# Altium PCB ECU_Dummy.PcbDoc
Units mm, origin at the board's own origin, x right, y up, seen from the top; angles counter-clockwise.
Board outline 85 x 65 mm, 2 copper layers (Top Layer, Bottom Layer); 64 components, 72 nets, 212 pads, 76 vias.
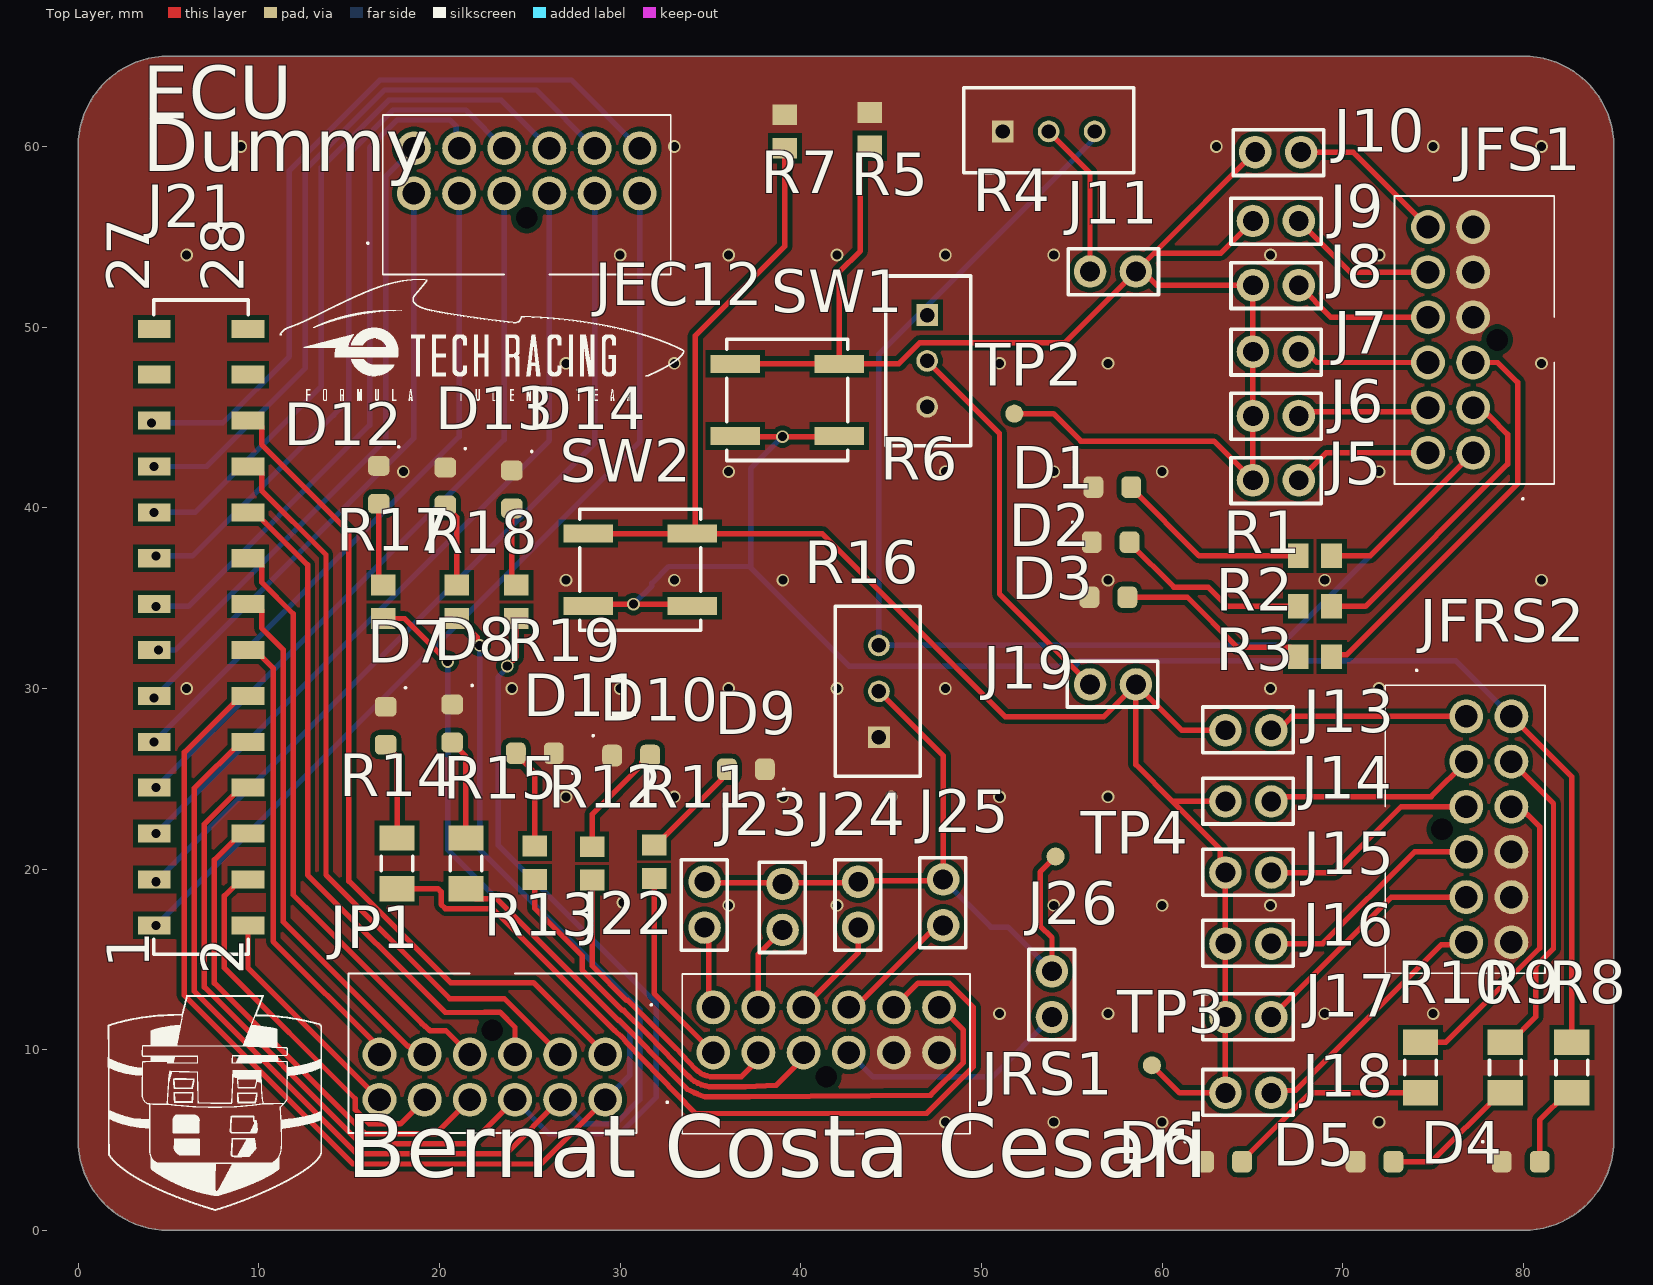
[diagram p0: Top Layer view]
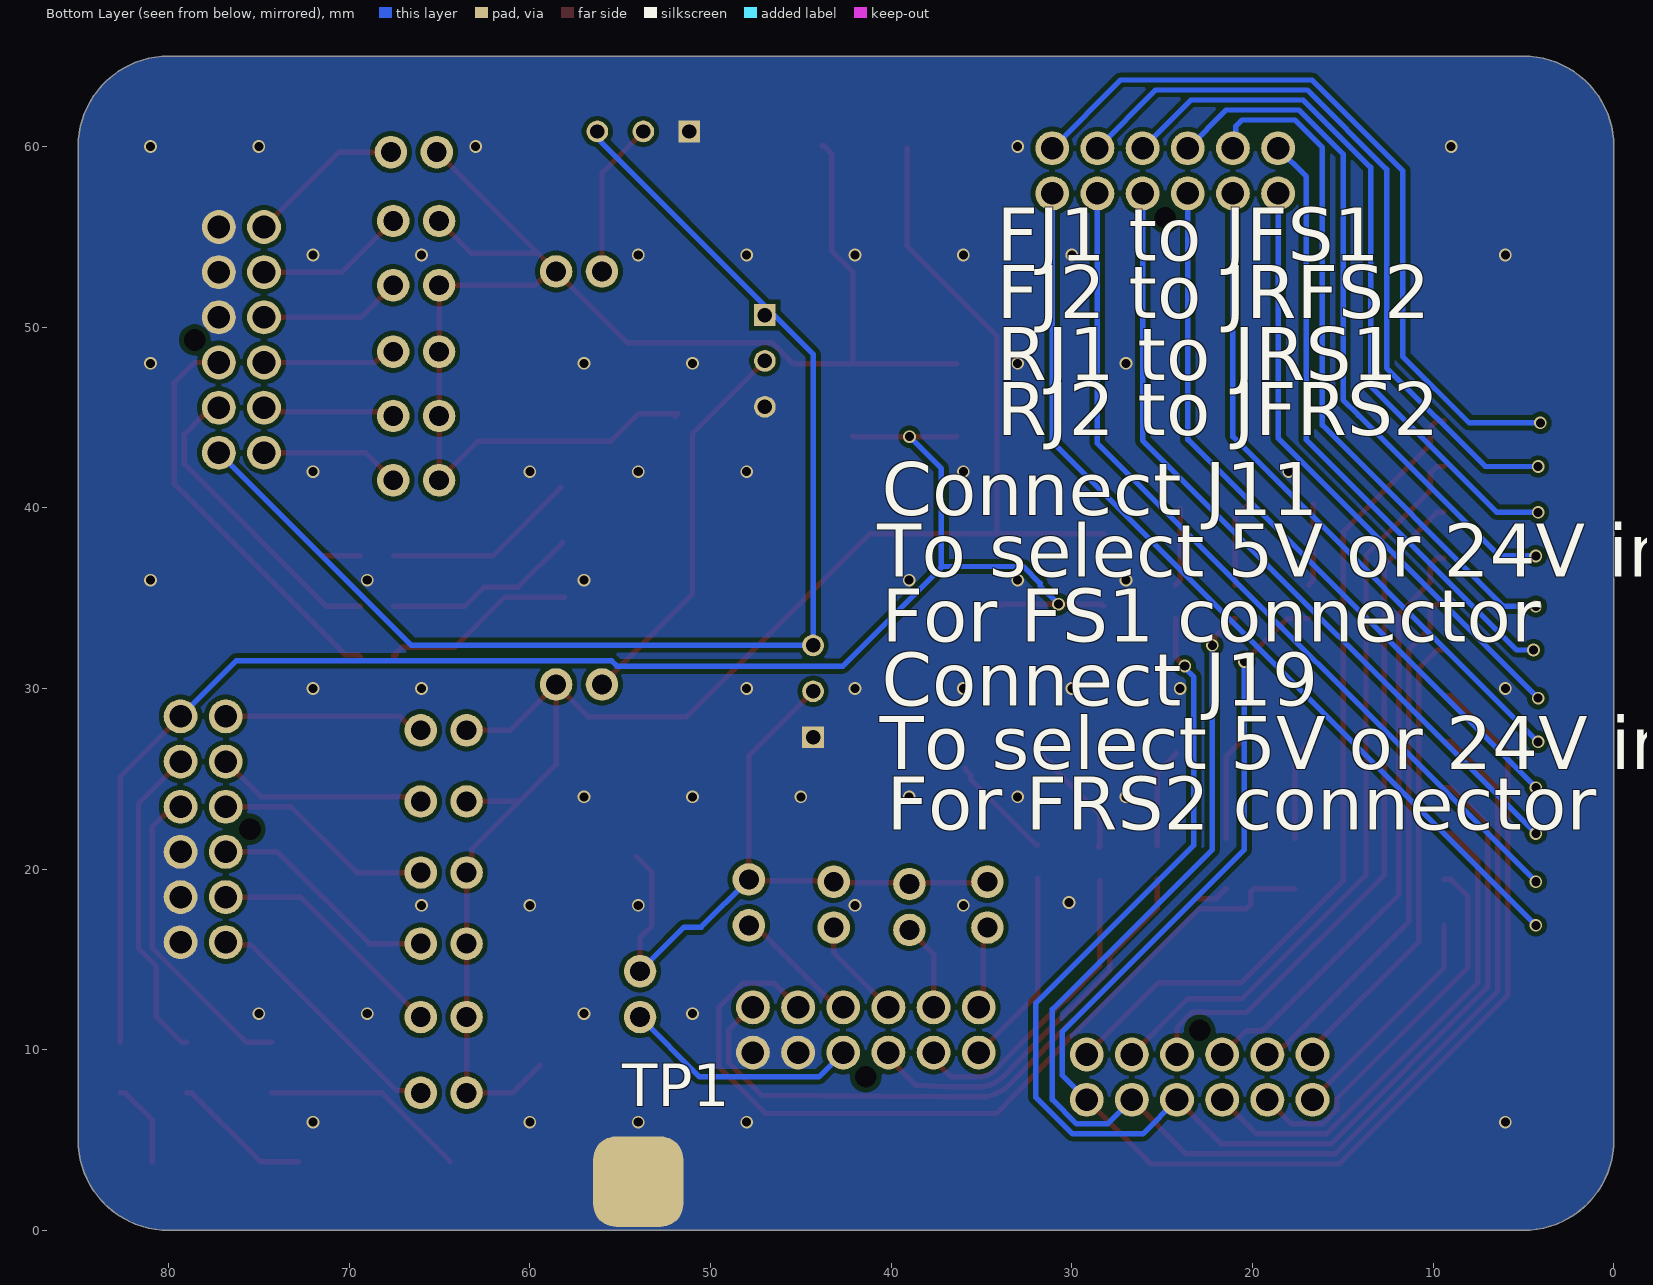
[diagram p1: Bottom Layer view, seen from below]
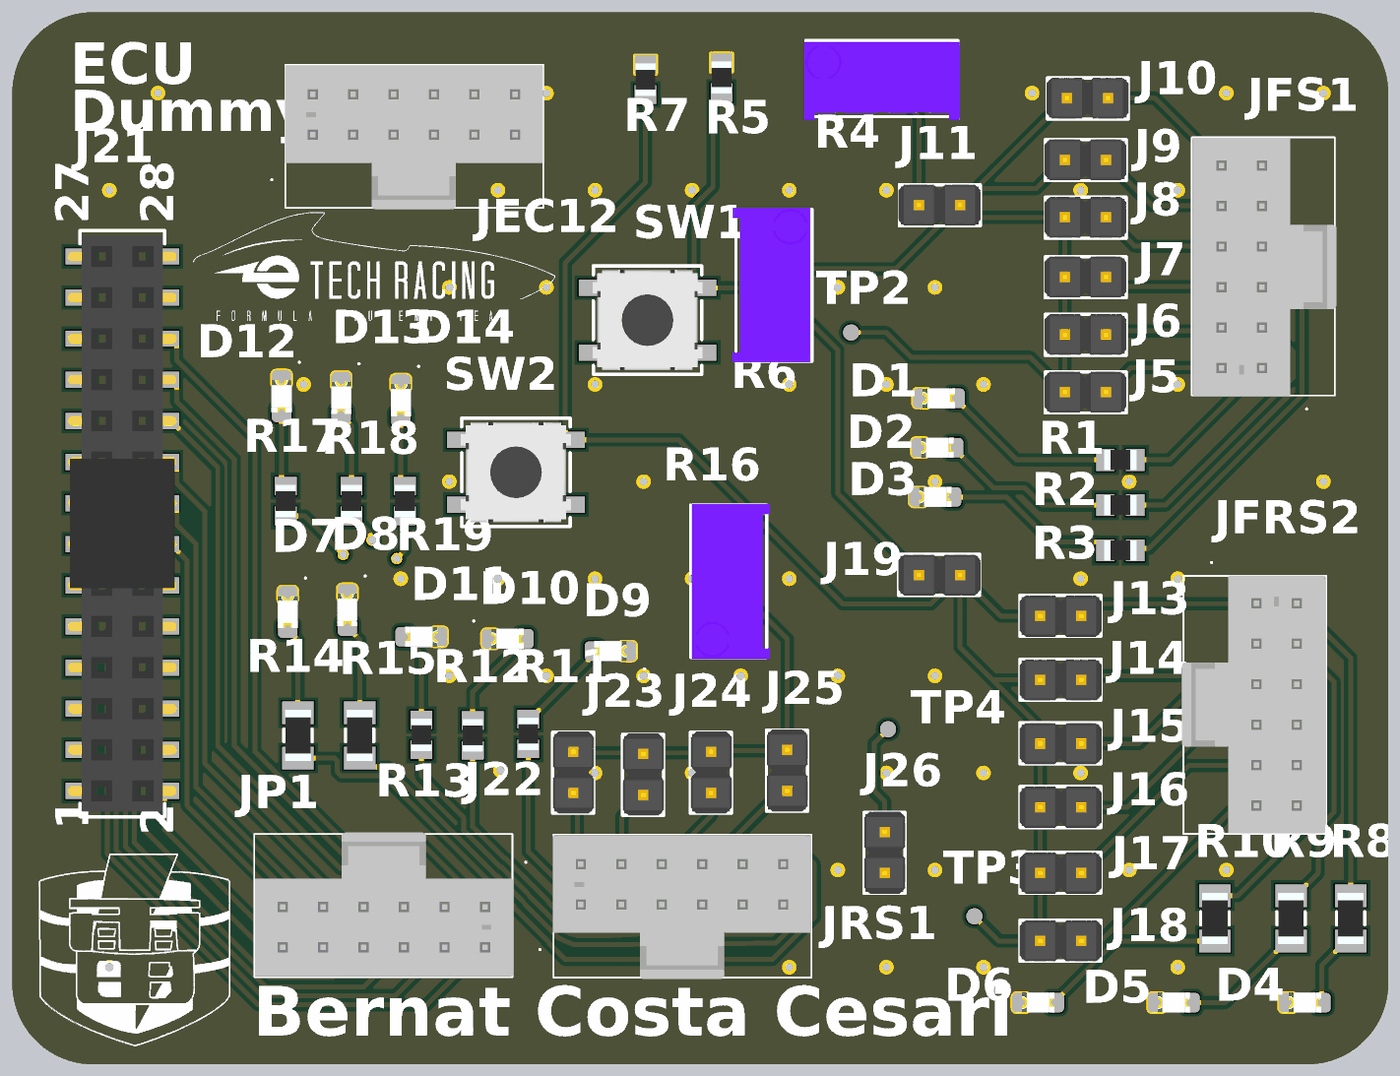
[diagram p2: 3D render of the assembled board from above, using the file's embedded part models]

## Layer stack, top to bottom
Top Solder: solder mask 0.0102, Solder Resist, Dk 3.5
Top Layer: signal copper 0.0356
Dielectric 1: dielectric 0.32, FR-4, Dk 4.8
Bottom Layer: signal copper 0.0356
Bottom Solder: solder mask 0.0102, Solder Resist, Dk 3.5

## Board outline
5,0 cw(c5,5) 0,5 0,60 cw(c5,60) 5,65 80,65 cw(c80,60) 85,60 85,5 cw(c80,5) 80,0

## Design rules (kind name [scope] priority, off if disabled: settings)
Clearance [All] p1: gap=0.254 ignorepadtopadclearanceinfootprint=FALSE
HoleSize [All] p1: absolutevalues=TRUE maxlimit=1 minlimit=0.1 maxpercent=80.000 minpercent=20.000
PlaneConnect [All] p1: planeconnectstyle=Direct reliefexpansion=0.508 reliefentries=4 reliefconductorwidth=0.254 reliefairgap=0.254
PolygonConnect [All] p1: connectstyle=Direct reliefconductorwidth=0.254 reliefentries=4 polygonreliefangle="90 Angle" airgapwidth=0.254
RoutingVias [All] p1: holewidth=0.5 width=0.7 viastyle="Through Hole" minholewidth=0.3 minwidth=0.5 maxholewidth=0.7 maxwidth=1
SolderMaskExpansion [All] p1: expansion=0.102 istentingtop=FALSE
Width [All] p1: maxlimit=1 minlimit=0.2 preferedwidth=0.3 minimp=50.000000 maximp=50.000000 favimp=50.000000
28 further rules are at their usual default settings.

## Components (designator, comment, footprint, x,y, rotation, side; value= is the part's Value field where it differs from the comment)
D1 "150080GS75000" LED_0805_WE 57.243,41.148 r0 top
D2 "150080GS75000" LED_0805_WE 57.15,38.1 r0 top
D3 "150080GS75000" LED_0805_WE 57.023,35.052 r0 top
D4 "150080RS75000" LED_0805_WE 79.849,3.81 r0 top
D5 "150080RS75000" LED_0805_WE 71.755,3.81 r0 top
D6 "150080RS75000" LED_0805_WE 63.373,3.81 r0 top
D7 "150080RS75000" LED_0805_WE 17.018,27.94 r270 top
D8 "150080RS75000" LED_0805_WE 20.701,28.067 r270 top
D9 "150080GS75000" LED_0805_WE 36.957,25.527 r180 top
D10 "150080GS75000" LED_0805_WE 30.607,26.289 r0 top
D11 "150080GS75000" LED_0805_WE 25.273,26.416 r180 top
D12 "150080BS75000" LED_0805_WE 16.637,41.275 r270 top
D13 "150080BS75000" LED_0805_WE 20.32,41.182 r270 top
D14 "150080BS75000" LED_0805_WE 24.003,41.021 r270 top
J5 "2 Pin Header" J_Pinheader_1x2 66.294,41.529 r180 top
J6 "2 Pin Header" J_Pinheader_1x2 66.294,45.085 r180 top
J7 "2 Pin Header" J_Pinheader_1x2 66.294,48.641 r180 top
J8 "2 Pin Header" J_Pinheader_1x2 66.294,52.324 r180 top
J9 "2 Pin Header" J_Pinheader_1x2 66.294,55.88 r180 top
J10 "2 Pin Header" J_Pinheader_1x2 66.421,59.69 r180 top
J11 "2 Pin Header" J_Pinheader_1x2 57.277,53.086 r180 top
J13 "2 Pin Header" J_Pinheader_1x2 64.77,27.686 r0 top
J14 "2 Pin Header" J_Pinheader_1x2 64.77,23.749 r0 top
J15 "2 Pin Header" J_Pinheader_1x2 64.77,19.812 r0 top
J16 "2 Pin Header" J_Pinheader_1x2 64.77,15.875 r0 top
J17 "2 Pin Header" J_Pinheader_1x2 64.77,11.811 r0 top
J18 "2 Pin Header" J_Pinheader_1x2 64.77,7.62 r0 top
J19 "2 Pin Header" J_Pinheader_1x2 57.277,30.226 r0 top
J21 "61002821821" 61002821821 6.798,33.401 r90 top
J22 "2 Pin Header" J_Pinheader_1x2 34.671,18.034 r90 top
J23 "2 Pin Header" J_Pinheader_1x2 38.989,17.907 r90 top
J24 "2 Pin Header" J_Pinheader_1x2 43.18,18.034 r90 top
J25 "2 Pin Header" J_Pinheader_1x2 47.879,18.161 r90 top
J26 "2 Pin Header" J_Pinheader_1x2 53.901,13.081 r90 top
JEC12 "1053101112" J_NanoFit_2x6_V 18.582,57.404 r180 top
JFRS2 "1053101112" J_NanoFit_2x6_V 76.835,28.455 r90 top
JFS1 "1053101112" J_NanoFit_2x6_V 77.216,43.046 r270 top
JP1 "1053101112" J_NanoFit_2x6_V 29.177,9.739 r0 top
JRS1 "1053101112" J_NanoFit_2x6_V 35.152,9.849 r180 top
R1 "CR0805-FX-4700GLF" R0805FTK 68.453,37.338 r0 top
R2 "CR0805-FX-4700GLF" R0805FTK 68.453,34.544 r0 top
R3 "CR0805-FX-4700GLF" R0805FTK 68.453,31.75 r0 top
R4 "3296W-1-103LF" R10k-VTR 53.721,60.833 r90 top
R5 "CR0805-JW-103ELF" R0805FTK 43.815,60.96 r90 top
R6 "3296W-1-103LF" R10k-VTR 46.99,48.133 r0 top
R7 "CR0805-JW-103ELF" R0805FTK 39.116,60.833 r270 top
R8 "CR1206-FX-2201ELF" R1206FTK-W 82.677,9.017 r270 top
R9 "CR1206-FX-2201ELF" R1206FTK-W 78.994,9.017 r270 top
R10 "CR1206-FX-2201ELF" R1206FTK-W 74.295,9.017 r270 top
R11 "CR0805-FX-4700GLF" R0805FTK 31.877,20.411 r270 top
R12 "CR0805-FX-4700GLF" R0805FTK 28.448,20.32 r270 top
R13 "CR0805-FX-4700GLF" R0805FTK 25.273,20.356 r270 top
R14 "CR1206-FX-2201ELF" R1206FTK-W 17.653,20.32 r90 top
R15 "CR1206-FX-2201ELF" R1206FTK-W 21.463,20.32 r90 top
R16 "3296W-1-103LF" R10k-VTR 44.323,29.845 r180 top
R17 "CR0805-FX-4700GLF" R0805FTK 16.891,34.798 r90 top
R18 "CR0805-FX-4700GLF" R0805FTK 20.955,34.798 r90 top
R19 "CR0805-FX-4700GLF" R0805FTK 24.257,34.798 r90 top
SW1 "430773034825" WS-TASV_L6W6H3.4_4307x30348xx 39.243,45.974 r0 top
SW2 "430773034825" WS-TASV_L6W6H3.4_4307x30348xx 31.115,36.576 r0 top
TP1 "Test Point" TESTPOINT_WIDE 56.388,2.602 r0 top
TP2 "TestPoint" TestPoint 51.816,45.212 r90 top
TP3 "TestPoint" TestPoint 59.436,9.144 r90 top
TP4 "TestPoint" TestPoint 54.102,20.701 r90 top

## Footprints (in the part's own frame and the unit in brackets; to place one, negate y for a bottom-side part, rotate by r counter-clockwise, add the part's x,y. Pads: shape width x height; smd on the part's side, far side on the other; paste and mask are expansions set on the pad)
61002821821 [mm] "Socket Header, Pitch 2.54 mm, SMT, Vertical, dual row, 28p"
  rect 1x1.8 smd: 1(-16.51,2.6) 2(-16.51,-2.6) 3(-13.97,2.6) 4(-13.97,-2.6) 5(-11.43,2.6) 6(-11.43,-2.6) 7(-8.89,2.6) 8(-8.89,-2.6) 9(-6.35,2.6) 10(-6.35,-2.6) 11(-3.81,2.6) 12(-3.81,-2.6) 13(-1.27,2.6) 14(-1.27,-2.6) 15(1.27,2.6) 16(1.27,-2.6) 17(3.81,2.6) 18(3.81,-2.6) 19(6.35,2.6) 20(6.35,-2.6) 21(8.89,2.6) 22(8.89,-2.6) 23(11.43,2.6) 24(11.43,-2.6) 25(13.97,2.6) 26(13.97,-2.6) 27(16.51,2.6) 28(16.51,-2.6)
  silkscreen extent -18.11,-2.62 18.11,2.62, body extent -17.78,-3.35 17.78,3.35, height 8.5
J_NanoFit_2x6_V [mm]
  round 1.875 hole 1.25: 1(0,0) 2(-2.5,0) 3(-5,0) 4(-7.5,0) 5(-10,0) 6(-12.5,0) 7(0,-2.5) 8(-2.5,-2.5) 9(-5,-2.5) 10(-7.5,-2.5) 11(-10,-2.5) 12(-12.5,-2.5)
  round 0.675 hole 1.2 unplated: MH1(-6.25,1.34)
  silkscreen extent -14.22,-4.35 2.6,4.49, body extent -14.19,-4.26 1.75,4.58, height 10.68
J_Pinheader_1x2 [mm]
  round 1.8 hole 1.1: 1(-1.27,0) 2(1.27,0)
  silkscreen extent -2.52,-1.25 2.48,1.29, body extent -2.54,-1.27 2.54,1.27, height 9.5
LED_0805_WE [mm] "SODFL, 2-Leads, Body 1,60x3,20mm, IPC Medium Density"
  rrect50% 1.1x1.2 smd: A(1.05,0) K(-1.05,0)
  silkscreen extent -2.15,1.05 -2.05,1.15, body extent -1,-0.62 1,0.63, height 0.7
R10k-VTR [mm]
  rect 1.2x1.2 hole 0.8: 1(0,2.54)
  round 1.2 hole 0.8: 2(0,-2.54) 3(0,0)
  silkscreen extent -2.29,-4.7 2.41,4.7, body extent -2.49,-4.78 2.34,4.78, height 11.09
R0805FTK [mm] "Chip Resistor, 2-Leads, Body 2,00x1,25mm, IPC Medium Density"
  rect 1.15x1.35 smd: 1(-0.925,0) 2(0.925,0)
  body extent -1,-0.63 1,0.63, height 0.65
R1206FTK-W [mm] "Chip Resistor, 2-Leads, Body 3,15x1,60mm, IPC Medium Density"
  rect 1.4x1.95 smd: 1(-1.4,0) 2(1.4,0)
  silkscreen extent -0.4,-0.87 0.4,0.87, body extent -1.58,-0.8 1.58,0.8, height 0.61
TestPoint [mm]
  round 1 smd: 1(0,0)
TESTPOINT_WIDE [mm]
  rrect50% 5x5 smd far side: 1(-2.388,0.098)
WS-TASV_L6W6H3.4_4307x30348xx [mm] "SMD Tact Switch, body 6x6mm"
  rect 2.75x1 smd: A1(-2.875,2) A2(2.875,2) B1(-2.875,-2) B2(2.875,-2)
  silkscreen extent -3.35,-3.35 3.35,3.35, body extent -3.4,-3.1 3.4,3.1, height 3.4

## Part data
D1 D2 D3 D9 D10 D11: library part LEDGS-0805-450, "Led, Green, 520 Nm, 3.2 V, 30 Ma, 450 Mcd Rohs Compliant: Yes", Case Code (Imperial)=0805, Case Code (Metric)=2012, Color=Green, Forward Current=30mA, Forward Voltage=3.2V, Manufacturer 1="Wurth Electronics", Max Operating Temperature=85°C, Min Operating Temperature=-40°C, Package Quantity=4000, Supplier Part Number 1=8154221, Test Current=20mA, .Creator=GP, Case/Package=0805, Category=LEDs, ComponentLink1Description=Datasheet, ComponentLink1URL=https://www.we-online.com/catalog/datasheet/150080GS75000.pdf, ComponentLink2Description="Where buy it", ComponentLink2URL=https://katalog.we-online.de/en/led/WL-SMCW/150080GS75000, ComponentLink3Description=https://datasheet.ciiva.com/29563/150080gs75000-29563008.pdf?src-supplier=Digi-Key, ComponentLink3URL=https://datasheet.ciiva.com/29563/150080gs75000-29563008.pdf?src-supplier=Digi-Key, ComponentLink4Description=https://datasheet.ciiva.com/29279/759434-da-01-en-chipled-0805-w-kl-gruen-150080gs75000-29279039.pdf?src-supplier=Conrad, ComponentLink4URL=https://datasheet.ciiva.com/29279/759434-da-01-en-chipled-0805-w-kl-gruen-150080gs75000-29279039.pdf?src-supplier=Conrad, Dominant Wavelength=520nm, Height=0.7mm, Length=2mm, Lens Style=Clear,Rectangular, Luminous Intensity=450mcd, Manufacturer Part Number 1=150080GS75000, Mount="Surface Mount", Packaging="Cut Tape", Pricing 1="50=0,19300, 500=0,12900, 1000=0,12300, 2000=0,11700, 4000=0,11100 (USD)", REACH SVHC=Unknown, RoHS=Yes, RoHS Compliant=Yes, Stock 1=4350, Supplier 1=RSComponents, Viewing Angle=140°, Wavelength=520nm, Width=1.25mm
D4 D5 D6 D7 D8: library part LEDRS-0805-150, "0805(H=0.8mm) 红色 高亮 λD=625nm VF=2V IF=30mA PD=72mW", Case Code (Imperial)=0805, Case Code (Metric)=2012, Color=Red, Forward Current=30mA, Forward Voltage=2V, Manufacturer 1="Wurth Electronics", Max Operating Temperature=85°C, Min Operating Temperature=-40°C, Package Quantity=4000, Supplier Part Number 1=8154225P, Test Current=20mA, .Creator=DR, Case/Package=0805, Category=LEDs, ComponentLink1Description=Datasheet, ComponentLink1URL=https://www.we-online.com/catalog/datasheet/150080RS75000.pdf, ComponentLink2Description="Where buy it", ComponentLink2URL=https://katalog.we-online.de/en/led/WL-SMCW/150080RS75000, ComponentLink3Description=https://datasheet.ciiva.com/22656/150080rs75000-22656961.pdf?src-supplier=Element14, ComponentLink3URL=https://datasheet.ciiva.com/22656/150080rs75000-22656961.pdf?src-supplier=Element14, ComponentLink4Description=https://datasheet.ciiva.com/29279/759435-da-01-en-chipled-0805-w-kl-rot-150080rs75000-29279032.pdf?src-supplier=Conrad, ComponentLink4URL=https://datasheet.ciiva.com/29279/759435-da-01-en-chipled-0805-w-kl-rot-150080rs75000-29279032.pdf?src-supplier=Conrad, Dominant Wavelength=625nm, Height=0.7mm, Length=2mm, Lens Style=Clear,Rectangular, Luminous Intensity=150mcd, Manufacturer Part Number 1=150080RS75000, Mount="Surface Mount", Packaging="Tape and Reel", Pricing 1="50=0,19300, 500=0,12900, 1000=0,12300, 2000=0,11700, 4000=0,11100 (USD)", REACH SVHC=Unknown, RoHS=Yes, RoHS Compliant=Yes, Stock 1=1, Supplier 1=RSComponents, Viewing Angle=140°, Wavelength=625nm, Width=1.25mm
D12 D13 D14: library part LEDBS-0805-145, "LED BLUE CLEAR 0805 SMD", Case Code (Imperial)=0805, Case Code (Metric)=2012, Color=Blue, Forward Current=30mA, Forward Voltage=3.2V, Manufacturer 1="Wurth Electronics", Max Operating Temperature=85°C, Min Operating Temperature=-40°C, Package Quantity=4000, Supplier Part Number 1=8154228, Test Current=20mA, .Creator=GP, Case/Package=0805, Category=LEDs, ComponentLink1Description=Datasheet, ComponentLink1URL=https://www.we-online.com/catalog/datasheet/150080BS75000.pdf, ComponentLink2Description="Where buy it", ComponentLink2URL=https://katalog.we-online.de/en/led/WL-SMCW/150080BS75000, ComponentLink3Description=https://datasheet.ciiva.com/23843/150080bs75000-23843251.pdf?src-supplier=Newark, ComponentLink3URL=https://datasheet.ciiva.com/23843/150080bs75000-23843251.pdf?src-supplier=Newark, ComponentLink4Description=https://datasheet.ciiva.com/22656/1740214-22656954.pdf?src-supplier=Element14, ComponentLink4URL=https://datasheet.ciiva.com/22656/1740214-22656954.pdf?src-supplier=Element14, ComponentLink5Description=https://datasheet.ciiva.com/29279/759433-da-01-en-chipled-0805-w-kl-blau-150080bs75000-29279203.pdf?src-supplier=Conrad, ComponentLink5URL=https://datasheet.ciiva.com/29279/759433-da-01-en-chipled-0805-w-kl-blau-150080bs75000-29279203.pdf?src-supplier=Conrad, ComponentLink6Description=https://datasheet.ciiva.com/29562/150080bs75000-29562922.pdf?src-supplier=Digi-Key, ComponentLink6URL=https://datasheet.ciiva.com/29562/150080bs75000-29562922.pdf?src-supplier=Digi-Key, ComponentLink7Description=https://datasheet.ciiva.com/29562/150080bs75000-29562923.pdf?src-supplier=Digi-Key, ComponentLink7URL=https://datasheet.ciiva.com/29562/150080bs75000-29562923.pdf?src-supplier=Digi-Key, Dominant Wavelength=470nm, Height=0.7mm, Lead Free="Lead Free", Length=2mm, Lens Style=Clear,Rectangular, Luminous Intensity=145mcd, Manufacturer Part Number 1=150080BS75000, Mount="Surface Mount", Packaging="Tape and Reel", Pricing 1="50=0,19300, 500=0,12900, 1000=0,12200, 2000=0,11700, 4000=0,11100 (USD)", REACH SVHC=Unknown, RoHS=Yes, RoHS Compliant=Yes, Stock 1=7400, Supplier 1=RSComponents, Viewing Angle=140°, Wavelength=470nm, Width=1.25mm
J5 J6 J7 J8 J9 J10 J11 J13 J14 J15 J16 J17 J18 J19 J22 J23 J24 J25 J26: library part J_Jumper_H
J21: "WR-PHD Socket Header, SMT, Vertical, pitch 2.54mm, 2 Row, 28P", Contact Resistance=20mΩ, Manufacturer="Wurth Elektronik", Operating Temperature Max=105°C, Operating Temperature Min=-40°C, Rated Current=3A, Withstanding Voltage=600V, Working Voltage=250V, Category="Board-to-Board Connectors", ComponentLink1Description="Website Link", ComponentLink1URL=https://www.we-online.com/redexpert/article/61002821821?ad, ComponentLink2Description="Datasheet Link", ComponentLink2URL=https://www.we-online.com/redexpert/spec/61002821821?ad, Gender="Socket Header", Manufacturer part number=61002821821, Match Code=WR-PHD, Mount="Surface Mount", Number of Pins=28, Number of Rows=2, Orientation=Vertical, Packaging=Tube, Pitch=2.54mm
JEC12 JFRS2 JFS1 JP1 JRS1: library part J_NanoFit_2x6_V, "Nano-Fit Vertical Header, Through Hole, 2.50mm Pitch, Dual Row, 12 Circuits, with Kinked Pins, Tin (Sn) Plating, Black, Glow-Wire Capable, Tray"
R1 R2 R3 R11 R12 R13 R17 R18 R19: library part R470-0805FTK, "Res Thick Film 0805 470 Ohm 1% 1/8W ±100ppm/°C Molded SMD SMD Paper Tape on Plastic Reel", Case Code (Imperial)=0805, Case Code (Metric)=2012, Manufacturer 1=Bourns, Max Operating Temperature=155°C, Max power dissipation=125mW, Min Operating Temperature=-55°C, Resistance=470R, Resistance Tolerance=1%, Resistor Type="Thick Film", Temperature Coefficient=100ppm/°C, Voltage Rating=150V, .Creator=DR, Case/Package=0805, Category="Chip SMD Resistors", ComponentLink1Description=https://datasheet.ciiva.com/11808/0900766b80fcdb72-11808686.pdf?src-supplier=RSComponents, ComponentLink1URL=https://datasheet.ciiva.com/11808/0900766b80fcdb72-11808686.pdf?src-supplier=RSComponents, ComponentLink2Description=https://datasheet.ciiva.com/7985/1856384-7985880.pdf?src-supplier=Element14, ComponentLink2URL=https://datasheet.ciiva.com/7985/1856384-7985880.pdf?src-supplier=Element14, ComponentLink3Description=https://datasheet.ciiva.com/22693/1902866-22693247.pdf?src-supplier=Element14, ComponentLink3URL=https://datasheet.ciiva.com/22693/1902866-22693247.pdf?src-supplier=Element14, ComponentLink4Description=https://datasheet.ciiva.com/5541/chpreztr-5541930.pdf?src-supplier=Mouser, ComponentLink4URL=https://datasheet.ciiva.com/5541/chpreztr-5541930.pdf?src-supplier=Mouser, Construction=Rectangular, Contact Plating=Tin, Depth=1.25mm, Features="Moisture Resistant", Height=0.5mm, Length=2mm, Manufacturer Part Number 1=CR0805-FX-4700GLF, Military Standard=Not, Mount="Surface Mount", Number of Pins=2, Number of Terminations=2, Packaging="Tape and Reel", Power rating=125mW, Pricing 1="1=0,00990, 10=0,00980, 25=0,00950, 50=0,00940, 100=0,00930, 250=0,00920, 500=0,00910, 1000=0,00890, 3000=0,00870, 6000=0,00860 (USD)", Radiation Hardening=No, REACH SVHC="No SVHC", RoHS=Yes, Series=CR0805, Stock 1=12623, Supplier 1="Arrow Electronics", Supplier Part Number 1=CR0805-FX-4700GLF, Technology="THICK FILM", Termination=SMD/SMT, Thickness=508um, Tolerance=1%, Voltage Rating (DC)=150V
R4 R6 R16: library part R10k-VTR, "Trimmer, Cermet, Rest 10 Kilohms, PCB, 25 Turns, Pwr-Rtg 0.5W, 3296 Series", Color=Blue, Insulation Resistance=1GR, Manufacturer=Bourns, Max Operating Temperature=125°C, Max power dissipation=500mW, Min Operating Temperature=-55°C, Package Quantity=50, Resistance=10kR, Resistance Tolerance=10%, Resistor Type=Cermet, Supplier Part Number 1=1673377, Temperature Coefficient=100ppm/°C, .Creator=DO, Category="Variable Resistors and Potentiometers", ComponentLink1Description=https://datasheet.ciiva.com/19454/853572-19454866.pdf?src-supplier=Jameco, ComponentLink1URL=https://datasheet.ciiva.com/19454/853572-19454866.pdf?src-supplier=Jameco, ComponentLink2Description=https://datasheet.ciiva.com/11830/0900766b8069ccf4-11830871.pdf?src-supplier=RSComponents, ComponentLink2URL=https://datasheet.ciiva.com/11830/0900766b8069ccf4-11830871.pdf?src-supplier=RSComponents, ComponentLink3Description=https://datasheet.ciiva.com/29122/447277-da-01-en-trimmer-tht3296w-1-103lf-10k-0-5w-29122362.pdf?src-supplier=Conrad, ComponentLink3URL=https://datasheet.ciiva.com/29122/447277-da-01-en-trimmer-tht3296w-1-103lf-10k-0-5w-29122362.pdf?src-supplier=Conrad, ComponentLink4Description=https://datasheet.ciiva.com/26913/3296w-1-103lf-26913885.pdf?src-supplier=IIIC, ComponentLink4URL=https://datasheet.ciiva.com/26913/3296w-1-103lf-26913885.pdf?src-supplier=IIIC, ComponentLink5Description=https://datasheet.ciiva.com/1131/1815117-1131273.pdf?src-supplier=Element14, ComponentLink5URL=https://datasheet.ciiva.com/1131/1815117-1131273.pdf?src-supplier=Element14, ComponentLink6Description=https://datasheet.ciiva.com/18411/70153578-18411561.pdf?src-supplier=Allied+Electronics, ComponentLink6URL=https://datasheet.ciiva.com/18411/70153578-18411561.pdf?src-supplier=Allied+Electronics, ComponentLink7Description=https://datasheet.ciiva.com/3266/3296-3266187.pdf?src-supplier=Avnet, ComponentLink7URL=https://datasheet.ciiva.com/3266/3296-3266187.pdf?src-supplier=Avnet, ComponentLink8Description=https://datasheet.ciiva.com/30093/3296-30093899.pdf?src-supplier=Onlinecomponents.com, ComponentLink8URL=https://datasheet.ciiva.com/30093/3296-30093899.pdf?src-supplier=Onlinecomponents.com, ComponentLink9Description=https://datasheet.ciiva.com/2156/3296-2156893.pdf?src-supplier=Digi-Key, ComponentLink9URL=https://datasheet.ciiva.com/2156/3296-2156893.pdf?src-supplier=Digi-Key, ComponentLink10Description=https://datasheet.ciiva.com/14173/ew3296-dat-e-14173022.pdf?src-supplier=Distrelec, ComponentLink10URL=https://datasheet.ciiva.com/14173/ew3296-dat-e-14173022.pdf?src-supplier=Distrelec, ComponentLink11Description="Where buy it", ComponentLink11URL=https://es.rs-online.com/web/p/potenciometros-de-ajuste/5219647, Contact Plating=Tin,Matte, Depth=4.83mm, Height=0.395inch, Lead Free="Lead Free", Length=9.53mm, Manufacturer part number=3296W-1-103LF, Military Standard=Not, Mount="PCB,Through Hole", Number of Turns=25, Packaging=Rail/Tube, Power rating=500mW, Pricing 1="50=2,54800, 100=2,31900, 200=2,14000, 300=1,88400, 500=1,55300 (USD)", Radiation Hardening=No, REACH SVHC="No SVHC", RoHS=Yes, RoHS Compliant=Yes, Series=3296, Stock 1=3300, Supplier 1=RSComponents, Taper=Linear, Technology=CERMET, Termination=Pin, Tolerance=10%, Weight=0.03oz, Width=9.53mm
R5 R7: library part R10k-0805FTK, "BOURNS         CR0805-JW-103ELF            Surface Mount Chip Resistor, Thick Film, CR Series, 10 kohm, 125 mW,  5%, 150 V", Case Code (Imperial)=0805, Case Code (Metric)=2012, Manufacturer 1=Bourns, Max Operating Temperature=155°C, Max power dissipation=125mW, Min Operating Temperature=-55°C, Package Quantity=1, Resistance=10kR, Resistance Tolerance=5%, Resistor Type="Thick Film", Temperature Coefficient=200ppm/°C, Voltage Rating=150V, Voltage Rating (DC)=100V, .Creator=DR, Case/Package=0805, Category="Chip SMD Resistors", ComponentLink1Description=https://datasheet.ciiva.com/11821/0900766b80fcdb72-11821135.pdf?src-supplier=RSComponents, ComponentLink1URL=https://datasheet.ciiva.com/11821/0900766b80fcdb72-11821135.pdf?src-supplier=RSComponents, ComponentLink2Description=https://datasheet.ciiva.com/9122/chpreztr-9122374.pdf?src-supplier=Avnet, ComponentLink2URL=https://datasheet.ciiva.com/9122/chpreztr-9122374.pdf?src-supplier=Avnet, ComponentLink3Description=https://datasheet.ciiva.com/22693/1902866-22693254.pdf?src-supplier=Element14, ComponentLink3URL=https://datasheet.ciiva.com/22693/1902866-22693254.pdf?src-supplier=Element14, ComponentLink4Description=https://datasheet.ciiva.com/7986/691949-7986187.pdf?src-supplier=Element14, ComponentLink4URL=https://datasheet.ciiva.com/7986/691949-7986187.pdf?src-supplier=Element14, ComponentLink5Description=https://datasheet.ciiva.com/30065/159chpreztr-30065976.pdf?src-supplier=Onlinecomponents.com, ComponentLink5URL=https://datasheet.ciiva.com/30065/159chpreztr-30065976.pdf?src-supplier=Onlinecomponents.com, ComponentLink6Description=https://datasheet.ciiva.com/16783/70154685-16783482.pdf?src-supplier=Allied+Electronics, ComponentLink6URL=https://datasheet.ciiva.com/16783/70154685-16783482.pdf?src-supplier=Allied+Electronics, ComponentLink7Description=https://datasheet.ciiva.com/5548/chpreztr-5548491.pdf?src-supplier=Mouser, ComponentLink7URL=https://datasheet.ciiva.com/5548/chpreztr-5548491.pdf?src-supplier=Mouser, ComponentLink8Description=https://datasheet.ciiva.com/6559/chpreztr-6559900.pdf?src-supplier=Digi-Key, ComponentLink8URL=https://datasheet.ciiva.com/6559/chpreztr-6559900.pdf?src-supplier=Digi-Key, ComponentLink9Description=https://datasheet.ciiva.com/6559/chpreztr-6559901.pdf?src-supplier=Digi-Key, ComponentLink9URL=https://datasheet.ciiva.com/6559/chpreztr-6559901.pdf?src-supplier=Digi-Key, ComponentLink10Description=https://datasheet.ciiva.com/7985/1856384-7985869.pdf?src-supplier=Element14, ComponentLink10URL=https://datasheet.ciiva.com/7985/1856384-7985869.pdf?src-supplier=Element14, ComponentLink11Description=https://datasheet.ciiva.com/48692/001055517-da-01-en-smd-wid-cr0805-jw-103elf-10k-ohm-1-8w-48692118.pdf?src-supplier=Conrad, ComponentLink11URL=https://datasheet.ciiva.com/48692/001055517-da-01-en-smd-wid-cr0805-jw-103elf-10k-ohm-1-8w-48692118.pdf?src-supplier=Conrad, Construction=Rectangular, Contact Plating=Tin, Depth=1.25mm, Features="Moisture Resistant", Height=0.5mm, Length=2mm, Manufacturer Part Number 1=CR0805-JW-103ELF, Military Standard=Not, Mount="Surface Mount", Number of Pins=2, Number of Terminations=2, Packaging="Tape and Reel", Power rating=125mW, Pricing 1="1=0,05790, 10=0,01540, 25=0,01340, 100=0,00340 (USD)", Radiation Hardening=No, REACH SVHC="No SVHC", RoHS=Yes, RoHS Compliant=Yes, Series=CR0805, Stock 1=57566, Supplier 1="Arrow Electronics", Supplier Part Number 1=CR0805-JW-103ELF, Technology="THICK FILM", Termination=SMD/SMT, Thickness=508um, Tolerance=5%, Width=1.25mm
R8 R9 R10 R14 R15: library part R2.2K-1206FTK, "Res Thick Film 1206 2.2K Ohm 1% 1/4W ±100ppm/°C Molded SMD SMD Paper Tape on Plastic Reel", Case Code (Imperial)=1206, Case Code (Metric)=3216, Manufacturer 1=Bourns, Max Operating Temperature=155°C, Max power dissipation=250mW, Min Operating Temperature=-55°C, Package Quantity=5000, Resistance=2.2kR, Resistance Tolerance=1%, Resistor Type="Thick Film", Supplier Part Number 1=CR1206-FX-2201ELFCT-ND, Temperature Coefficient=100ppm/°C, Voltage Rating=200V, .Creator=AC, Case/Package=1206, Category="Chip SMD Resistors", ComponentLink1Description=https://datasheet.ciiva.com/11809/0900766b80fcdb72-11809898.pdf?src-supplier=RSComponents, ComponentLink1URL=https://datasheet.ciiva.com/11809/0900766b80fcdb72-11809898.pdf?src-supplier=RSComponents, ComponentLink2Description=https://datasheet.ciiva.com/9123/chpreztr-9123227.pdf?src-supplier=Avnet, ComponentLink2URL=https://datasheet.ciiva.com/9123/chpreztr-9123227.pdf?src-supplier=Avnet, ComponentLink3Description=https://datasheet.ciiva.com/16770/70154685-16770447.pdf?src-supplier=Allied+Electronics, ComponentLink3URL=https://datasheet.ciiva.com/16770/70154685-16770447.pdf?src-supplier=Allied+Electronics, ComponentLink4Description=https://datasheet.ciiva.com/7985/1856384-7985879.pdf?src-supplier=Element14, ComponentLink4URL=https://datasheet.ciiva.com/7985/1856384-7985879.pdf?src-supplier=Element14, ComponentLink5Description=https://datasheet.ciiva.com/22693/1902866-22693258.pdf?src-supplier=Element14, ComponentLink5URL=https://datasheet.ciiva.com/22693/1902866-22693258.pdf?src-supplier=Element14, ComponentLink6Description=RS, ComponentLink6URL=https://es.rs-online.com/web/p/resistencias-fijas-para-montaje-en-superficie/7409097/, Construction=Rectangular, Contact Plating=Tin, Depth=1.6mm, Features="Moisture Resistant", Height=0.6mm, Length=3.2mm, Manufacturer Part Number 1=CR1206-FX-2201ELF, Military Standard=Not, Mount="Surface Mount", Number of Pins=2, Number of Terminations=2, Packaging="Tape and Reel", Power rating=250mW, Pricing 1="1=0,10000, 10=0,04200, 100=0,01700, 1000=0,00762, 2500=0,00661 (USD)", Radiation Hardening=No, REACH SVHC="No SVHC", RoHS=Yes, RoHS Compliant=Yes, Series=CR1206, Stock 1=150, Supplier 1=Digi-Key, Technology="THICK FILM", Termination=SMD/SMT, Thickness=610um, Tolerance=1%, Voltage Rating (DC)=200V, Width=1.6mm
SW1 SW2: "WS-TASV J-Hook SMT Hermetic Tact Switch, L6 x W6 x H3.4mm, 250g, SPST-NO, 12V, 50mA", Manufacturer="Wurth Elektronik", Operating Temperature Max=85°C, Operating Temperature Min=-40°C, Rated Current=50mA, Rated Voltage (DC)=12V, Supplier Part Number 1=732-11577-1-ND, Category="Tact Switches", Circuit=SPST-NO, ComponentLink1Description="Website Link", ComponentLink1URL=https://www.we-online.com/redexpert/article/430773034825?ad, ComponentLink2Description="Datasheet Link", ComponentLink2URL=https://www.we-online.com/redexpert/spec/430773034825?ad, Contact Material="Stainless Steel", Contact Plating=Silver, Height=3.4mm, Length=6mm, Manufacturer part number=430773034825, Match Code=WS-TASV, Mount="Surface Mount", Operation Force=250g, Packaging="Tape and Reel", Supplier 1=Digi-Key, Terminal Material="Copper Alloy", Terminal Plating=Silver, Washable=Yes, Width=6mm
TP1: library part TestPoint_Wide, "TestPoint 5x5mm"
TP2 TP3 TP4: "Test Point 1x1 mm", .Creator=GP, .PCBcheck=GP, .SCHcheck=GP, Category=TestPoint

## Via types
v1: diameter 0.7, hole 0.5, Top Layer to Bottom Layer, 76 vias

## Nets (pads, with @x,y where several pads share a name; then routed paths per layer and width w, separated by ;. In a path a pad name is that pad's centre, name@x,y a point inside that pad or via, vN(x,y) a via of type N, cw(c..) or ccw(c..) an arc to the next point about the centre after c; other vN are vias at no path point)
+5: JFS1.1 R1.2 R4.2 R6.1 R16.2 | length 80.9
  Top Layer w0.3: R1.2 71.508,37.338 JFS1.1
  Bottom Layer w0.3: R4.2 56.089,60.661 56.089,60.28 46.101,50.292 44.323,48.514 R16.2 66.555,32.385 JFS1.1
+24: JFRS2.7 R8.1 SW1.B1 SW1.B2 SW2.B1 SW2.B2 | length 92.2
  Top Layer w0.3: SW2.B1 28.335,34.671 v1(30.734,34.671) 33.895,34.671 SW2.B2 ; SW1.B1 36.4,43.942 v1(38.989,43.942) 42.086,43.942 SW1.B2 ; JFRS2.7 82.677,25.113 R8.1
  Bottom Layer w0.3: v1(30.734,34.671) 31.749,35.686 31.749,35.815 32.688,36.754 37.16,36.754 37.223,36.691 ; v1(38.989,43.942) 37.223,42.176 37.223,36.691 ; JFRS2.7 76.26,31.53 55.467,31.53 55.179,31.242 42.672,31.242 37.223,36.691
GND: D1.K D2.K D3.K D4.K D5.K D6.K D7.K D8.K D9.K D10.K D11.K D12.K D13.K D14.K JFRS2.10 JFRS2.11 JFRS2.12 JFS1.4 JFS1.5 JFS1.6 JRS1.5 JRS1.6 R4.1 R5.2 R6.2 R7.1 R16.1 TP1.1
  other v1: 6,6 48,6 54,6 60,6 72,6 51,12 57,12 69,12 75,12 36,18 42,18 54,18 60,18 66,18 30.157,18.157 27,24 33,24 39,24 45,24 51,24 57,24 6,30 24,30 30,30 36,30 42,30 48,30 66,30 72,30 27,36 33,36 39,36 57,36 69,36 81,36 18,42 36,42 48,42 54,42 60,42 72,42 27,48 33,48 51,48 57,48 81,48 6,54 30,54 36,54 42,54 48,54 54,54 66,54 72,54 9,60 33,60 63,60 75,60 81,60
J3_1: J21.24 JP1.1 | length 46.2
  Top Layer w0.3: J21.24 9.798,44.831 10.148,44.481 10.148,43.512 14.986,38.674 14.986,19.341 20.611,13.716 25.2,13.716 JP1.1
J3_2: J21.22 JP1.2 | length 41.7
  Top Layer w0.3: J21.22 9.798,42.291 10.148,41.941 10.148,40.972 13.716,37.404 13.716,19.685 20.574,12.827 23.589,12.827 JP1.2
J3_3: J21.20 JP1.3 | length 38.2
  Top Layer w0.3: J21.20 9.798,39.751 12.7,36.849 12.7,19.685 20.32,12.065 22.493,12.065 22.511,12.083 23.343,12.083 24.177,11.249 JP1.3
J3_4: J21.18 JP1.4 | length 33.3
  Top Layer w0.3: J21.18 9.798,37.211 10.148,36.861 10.148,35.892 11.903,34.137 11.903,18.577 13.208,17.272 19.028,11.452 19.478,11.056 20.36,11.056 JP1.4
J3_5: J21.16 JP1.5 | length 29.5
  Top Layer w0.3: J21.16 9.798,34.671 10.148,34.321 10.148,33.352 11.349,32.151 11.349,17.099 18.262,10.186 18.304,10.186 18.751,9.739 JP1.5
J3_6: J21.14 JP1.6 | length 25.6
  Top Layer w0.3: J21.14 9.798,32.131 10.795,31.134 10.795,16.002 16.677,10.12 JP1.6
NetD1_A: D1.A R1.1 | length 10.8
  Top Layer w0.3: D1.A 58.293,41.098 62.053,37.338 R1.1
NetD2_A: D2.A R2.1 | length 10.8
  Top Layer w0.3: D2.A 58.2,38.05 60.644,35.606 62.55,35.606 63.612,34.544 R2.1
NetD3_A: D3.A R3.1 | length 11.1
  Top Layer w0.3: D3.A 61.395,35.052 64.172,32.275 67.103,32.275 67.528,31.85 R3.1 R3.1@67.401,31.877
NetD4_A: D4.A R8.2 | length 4.7
  Top Layer w0.3: D4.A 80.899,6.114 82.402,7.617 R8.2
NetD5_A: D5.A R9.2 | length 7.8
  Top Layer w0.3: D5.A 74.912,3.81 78.719,7.617 R9.2
NetD6_A: D6.A R10.2 | length 11.5
  Top Layer w0.3: D6.A 64.423,3.86 68.18,7.617 R10.2
NetD7_A: D7.A R14.2 | length 5.4
  Top Layer w0.3: D7.A 17.018,26.872 17.653,26.237 R14.2
NetD8_A: D8.A R15.2 | length 5.6
  Top Layer w0.3: D8.A 20.701,26.999 21.463,26.237 R15.2
NetD9_A: D9.A R11.1 | length 6
  Top Layer w0.3: R11.1 31.977,21.336 35.584,24.943 35.584,25.204 D9.A D9.A@35.907,25.577
NetD10_A: D10.A R12.1 | length 7.1
  Top Layer w0.3: R12.1@28.548,21.245 R12.1 28.448,23.03 31.657,26.239 D10.A 31.284,25.916 D10.A@31.187,25.916
NetD11_A: D11.A R13.1 | length 5.6
  Top Layer w0.3: D11.A 24.223,26.366 25.273,25.316 R13.1
NetD12_A: D12.A R17.2 | length 4.6
  Top Layer w0.3: D12.A 16.637,35.977 R17.2
NetD13_A: D13.A R18.2 | length 4.7
  Top Layer w0.3: D13.A 20.32,40.114 20.955,39.479 R18.2
NetD14_A: D14.A R19.2 | length 4.4
  Top Layer w0.3: D14.A 24.003,35.977 R19.2
NetJ5_1: J5.1 JFS1.7 | length 7.8
  Top Layer w0.3: J5.1 69.081,43.046 JFS1.7
NetJ5_2: J5.2 J6.2 J7.2 J8.2 J9.2 J10.2 J11.1 R5.1 SW1.A1 SW1.A2 TP2.1 | length 85.2
  Top Layer w0.3: SW1.A1 SW1.A2 ; R5.1 43.715,60.035 43.29,59.61 43.29,54.224 42.118,53.052 SW1.A2 ; TP2.1@51.95,45.078 TP2.1 53.975,45.212 55.499,43.688 62.865,43.688 J5.2 J6.2 J7.2 J8.2 59.694,52.324 58.932,53.086 J11.1 ; J9.2 63.246,54.102 59.563,54.102 ; J10.2 59.563,54.102 ; SW1.A2 45.411,47.974 46.574,49.137 54.598,49.137 J11.1 ; J11.1 59.563,54.102
NetJ6_1: J6.1 JFS1.8 | length 7.3
  Top Layer w0.3: J6.1 67.794,45.315 74.486,45.315 JFS1.8
NetJ7_1: J7.1 JFS1.9 | length 7.4
  Top Layer w0.3: J7.1 67.97,48.641 68.565,48.046 JFS1.9
NetJ8_1: J8.1 JFS1.10 | length 7.9
  Top Layer w0.3: J8.1 69.342,50.546 JFS1.10
NetJ9_1: J9.1 JFS1.11 | length 8.3
  Top Layer w0.3: J9.1 70.398,53.046 JFS1.11
NetJ10_1: J10.1 JFS1.12 | length 8.7
  Top Layer w0.3: J10.1 70.572,59.69 JFS1.12
NetJ11_2: J11.2 R4.3 | length 8.7
  Top Layer w0.3: R4.3 56.007,58.547 J11.2
NetJ13_1: J13.1 J14.1 J15.1 J16.1 J17.1 J18.1 J19.2 R7.2 SW2.A1 SW2.A2 TP3.1 | length 97.3
  Top Layer w0.3: SW2.A1 SW2.A2 ; R7.2 39.116,54.483 34.163,49.53 34.163,38.749 SW2.A2 ; TP3.1 60.96,7.62 J18.1 J17.1 J16.1 J15.1 63.213,20.099 63.213,21.115 60.579,23.749 ; J14.1@63.268,23.981 J14.1 60.579,23.749 ; J13.1 61.087,27.686 J19.2 ; SW2.A2 41.18,38.576 51.308,28.448 56.769,28.448 J19.2 ; J19.2 58.547,25.781 60.579,23.749
NetJ13_2: J13.2 JFRS2.1 | length 11.1
  Top Layer w0.3: J13.2 66.411,27.686 67.18,28.455 JFRS2.1
NetJ14_2: J14.2 JFRS2.2 | length 11.7
  Top Layer w0.3: J14.2 66.3,24.009 74.889,24.009 JFRS2.2
NetJ15_2: J15.2 JFRS2.3 | length 12.3
  Top Layer w0.3: J15.2 69.578,19.812 73.221,23.455 JFRS2.3
NetJ16_2: J16.2 JFRS2.4 | length 12.9
  Top Layer w0.3: J16.2 68.887,15.875 73.967,20.955 JFRS2.4
NetJ17_2: J17.2 JFRS2.5 | length 13.5
  Top Layer w0.3: J17.2 72.684,18.455 JFRS2.5
NetJ18_2: J18.2 JFRS2.6 | length 14.2
  Top Layer w0.3: J18.2 66.17,7.75 67.39,7.75 75.447,15.808 76.688,15.808 JFRS2.6
NetJ19_1: J19.1 R6.3 | length 21.6
  Top Layer w0.3: R6.3 50.997,44.126 50.997,35.236 J19.1
NetJ21_1: J21.1 JEC12.6 | length 51.6
  Bottom Layer w0.3: v1(4.318,16.891) 31.082,43.655 JEC12.6
NetJ21_2: J21.2 JP1.12 | length 12.7
  Top Layer w0.3: J21.2 9.398,14.518 JP1.12
NetJ21_3: J21.3 JEC12.5 | length 48.2
  Bottom Layer w0.3: v1(4.318,19.304) 28.582,43.568 JEC12.5
NetJ21_4: J21.4 JP1.11 | length 21.2
  Top Layer w0.3: J21.4 8.998,19.431 8.094,18.527 8.094,14.533 15.335,7.292 15.335,6.683 16.121,5.897 17.835,5.897 JP1.11
NetJ21_5: J21.5 JEC12.4 | length 44.4
  Bottom Layer w0.3: v1(4.318,21.971) 26.082,43.735 JEC12.4
NetJ21_6: J21.6 JP1.10 | length 27.7
  Top Layer w0.3: J21.6 8.998,21.971 7.54,20.513 7.54,13.695 15.892,5.343 19.781,5.343 JP1.10
NetJ21_7: J21.7 JEC12.3 | length 40.9
  Bottom Layer w0.3: v1(4.318,24.511) 23.582,43.775 JEC12.3
NetJ21_8: J21.8 JP1.9 R19.1 | length 74.1
  Top Layer w0.3: J21.8 8.998,24.511 6.986,22.499 6.986,13.466 15.662,4.79 21.728,4.79 JP1.9 ; v1(23.749,31.242) 24.257,31.75 R19.1
  Bottom Layer w0.3: v1(23.749,31.242) 23.749,31.134 23.246,30.631 23.246,21.331 32.004,12.573 32.004,7.385 29.962,5.343 26.073,5.343 JP1.9
NetJ21_9: J21.9 JEC12.2 | length 37.3
  Bottom Layer w0.3: v1(4.191,27.051) 21.082,43.942 JEC12.2
NetJ21_10: J21.10 JP1.8 R18.1 | length 76.9
  Top Layer w0.3: J21.10 8.998,27.051 6.432,24.485 6.432,13.236 15.433,4.236 23.674,4.236 JP1.8 ; R18.1 21.055,33.873 22.098,32.83 22.098,32.512 v1(22.225,32.385)
  Bottom Layer w0.3: v1(22.225,32.385) 22.225,21.082 31.073,12.235 31.073,7.237 29.733,5.897 28.019,5.897 JP1.8
NetJ21_11: J21.11 JEC12.1 | length 33.9
  Bottom Layer w0.3: v1(4.191,29.464) 18.582,43.855 JEC12.1
NetJ21_12: J21.12 JP1.7 R17.1 | length 80.4
  Top Layer w0.3: J21.12 8.998,29.591 5.878,26.471 5.878,13.007 15.203,3.682 25.62,3.682 JP1.7 ; R17.1 18.07,33.873 v1(20.447,31.496)
  Bottom Layer w0.3: v1(20.447,31.496) 20.447,21.082 30.519,11.01 30.519,8.581 JP1.7
NetJ21_13: J21.13 JEC12.7 | length 34.2
  Bottom Layer w0.3: v1(4.445,32.131) 5.381,32.131 17.018,43.768 17.018,58.34 JEC12.7
NetJ21_15: J21.15 JEC12.8 | length 38.2
  Bottom Layer w0.3: v1(4.318,34.544) 6.096,34.544 16.129,44.577 16.129,59.944 17.653,61.468 20.574,61.468 20.929,61.113 20.929,60.057 JEC12.8
NetJ21_17: J21.17 JEC12.9 | length 38.3
  Bottom Layer w0.3: v1(4.318,37.338) 6.329,37.338 14.122,45.131 14.143,45.131 14.986,45.974 14.986,59.584 17.424,62.022 21.464,62.022 JEC12.9
NetJ21_19: J21.19 JEC12.10 | length 39.5
  Bottom Layer w0.3: v1(4.191,39.751) 6.477,39.751 13.462,46.736 13.462,58.844 17.194,62.576 23.41,62.576 JEC12.10
NetJ21_21: J21.21 JEC12.11 | length 40.8
  Bottom Layer w0.3: v1(4.191,42.291) 7.112,42.291 12.573,47.752 12.573,58.738 16.965,63.13 25.356,63.13 JEC12.11
NetJ21_23: J21.23 JEC12.12 | length 42.5
  Bottom Layer w0.3: v1(4.064,44.704) 8.001,44.704 11.684,48.387 11.684,58.674 16.694,63.684 27.302,63.684 JEC12.12
NetJ22_1: J22.1 JRS1.7 | length 4.6
  Top Layer w0.3: J22.1 34.911,16.524 34.911,12.589 JRS1.7
NetJ23_1: J23.1 JRS1.8 | length 4.8
  Top Layer w0.3: JRS1.8 37.652,15.3 J23.1
NetJ24_1: J24.1 JRS1.9 | length 5.7
  Top Layer w0.3: JRS1.9 43.18,15.377 J24.1
NetJ25_1: J25.1 JRS1.10 | length 7.1
  Top Layer w0.3: JRS1.10 42.994,12.349 47.536,16.891 J25.1
NetJ26_1: J26.1 JRS1.4 | length 13.2
  Bottom Layer w0.3: JRS1.4 43.994,8.507 50.598,8.507 J26.1
NetJFRS2_8: JFRS2.8 R9.1 | length 17.8
  Top Layer w0.3: R9.1 79.269,10.417 80.677,11.825 80.677,14.616 81.661,15.6 81.661,23.629 JFRS2.8
NetJFRS2_9: JFRS2.9 R10.1 | length 17.5
  Top Layer w0.3: R10.1 75.694,10.417 80.899,15.622 80.899,22.352 80.247,23.004 80.212,23.004 79.761,23.455 JFRS2.9
NetJFS1_2: JFS1.2 R2.2 | length 17.2
  Top Layer w0.3: R2.2 71.247,34.544 79.121,42.418 79.121,44.069 78.111,45.079 78.109,45.079 77.642,45.546 JFS1.2
NetJFS1_3: JFS1.3 R3.2 | length 22.8
  Top Layer w0.3: R3.2 69.501,31.873 70.227,31.873 79.675,41.321 79.675,46.944 78.573,48.046 JFS1.3
NetJRS1_1: JRS1.1 R11.2 | length 11
  Top Layer w0.3: R11.2 31.877,13.124 JRS1.1
NetJRS1_2: JRS1.2 R12.2 | length 17.2
  Top Layer w0.3: R12.2 28.448,14.656 30.361,12.742 30.421,12.742 32.18,10.984 33.079,10.084 34.179,8.926 ccw(c35.152,9.849) 35.152,8.507 36.701,8.508 36.789,8.595 37.652,9.458 JRS1.2
NetJRS1_3: JRS1.3 R13.2 | length 21.9
  Top Layer w0.3: R13.2 25.273,17.831 27.894,15.21 27.894,14.426 30.132,12.188 30.192,12.188 31.543,10.837 33.794,8.526 ccw(c35.152,9.849) 33.815,8.505 33.949,8.372 34.108,8.267 ccw(c35.152,9.849) 34.7,8.008 34.923,7.953 36.931,7.953 38.648,8.041 40.152,9.545 JRS1.3
NetJRS1_11: JRS1.11 R14.1 | length 47.4
  Top Layer w0.3: R14.1 19.908,18.92 20.084,18.744 20.084,18.053 20.321,17.816 22.937,17.816 29.673,11.081 29.726,11.043 30.064,10.746 cw(c29.177,9.739) 30.337,10.413 34.073,6.566 ccw(c34.287,6.777) 34.075,6.565 34.163,6.477 46.961,6.477 49.547,9.064 49.547,12.351 48.208,13.69 46.493,13.69 JRS1.11
NetJRS1_12: JRS1.12 R15.1 | length 36.6
  Top Layer w0.3: R15.1 22.013,18.37 23.167,18.37 29.902,11.635 29.962,11.635 30.99,10.607 33.261,8.276 33.42,8.117 33.719,7.818 34.105,7.635 ccw(c35.152,9.849) 34.265,7.566 34.693,7.4 37.16,7.4 47.188,7.487 48.993,9.293 48.993,11.086 47.73,12.349 JRS1.12
RS1_test: J22.2 J23.2 J24.2 J25.2 J26.2 R16.3 TP4.1 | length 40.4
  Top Layer w0.3: J22.2 34.734,19.241 38.925,19.241 J23.2 39.052,19.241 43.116,19.241 J24.2 43.243,19.367 47.816,19.367 J25.2 47.879,26.289 R16.3 ; J26.2 53.901,16.207 53.246,16.862 53.246,19.845 TP4.1
  Bottom Layer w0.3: J25.2 50.52,16.79 51.463,16.79 J26.2
pads on no net: J21.25 J21.26 J21.27 J21.28 JEC12.MH1 JFRS2.MH1 JFS1.MH1 JP1.MH1 JRS1.MH1

## Polygon pours and split planes (outlines as drawn)
GND on Top Layer "GND_L01_P000" (solid, pour order 0): 0,5 0,60 cw(c5,60) 5,65 80,65 cw(c80,60) 85,60 85,5 cw(c80,5) 80,0 5,0 cw(c5,5)
GND on Bottom Layer "GND_L02_P001" (solid, pour order 1): 0,5 0,60 cw(c5,60) 5,65 80,65 cw(c80,60) 85,60 85,5 cw(c80,5) 80,0 5,0 cw(c5,5)

## Silkscreen, mask and mechanical layers (free items; w line width, h text height)
Top Overlay:
  drawing of 40 lines, arcs and shapes, not listed
  text "ECU" at 3.561,60.579 h5
  text "Dummy" at 3.561,57.657 h5
  text "Bernat Costa Cesari" at 14.865,1.778 h6
Bottom Overlay:
  text "FJ1 to JFS1" at 34.158,52.705 h5
  text "FJ2 to JRFS2" at 34.158,49.53 h5
  text "RJ1 to JRS1" at 34.158,46.101 h5
  text "RJ2 to JFRS2" at 34.158,43.053 h5
  text "Connect J11" at 40.513,38.608 h5
  text "To select 5V or 24V input" at 40.762,35.222 h5
  text "For FS1 connector" at 40.508,31.623 h5
  text "Connect J19" at 40.513,28.067 h5
  text "To select 5V or 24V input" at 40.635,24.554 h5
  text "For FRS2 connector" at 40.254,21.209 h5
Mechanical 1:
  the board outline again, w0.254

## Text inside footprints (layer, text, board x,y; h text height)
J21: Top Overlay "28" at 9.948,51.941 h4 r90; Top Overlay "27" at 4.698,51.941 h4 r90; Top Overlay "2" at 9.948,14.161 h4 r90; Top Overlay "1" at 4.698,14.511 h4 r90